# KiCad board BYOM_Blank_panel.kicad_pcb (continued)
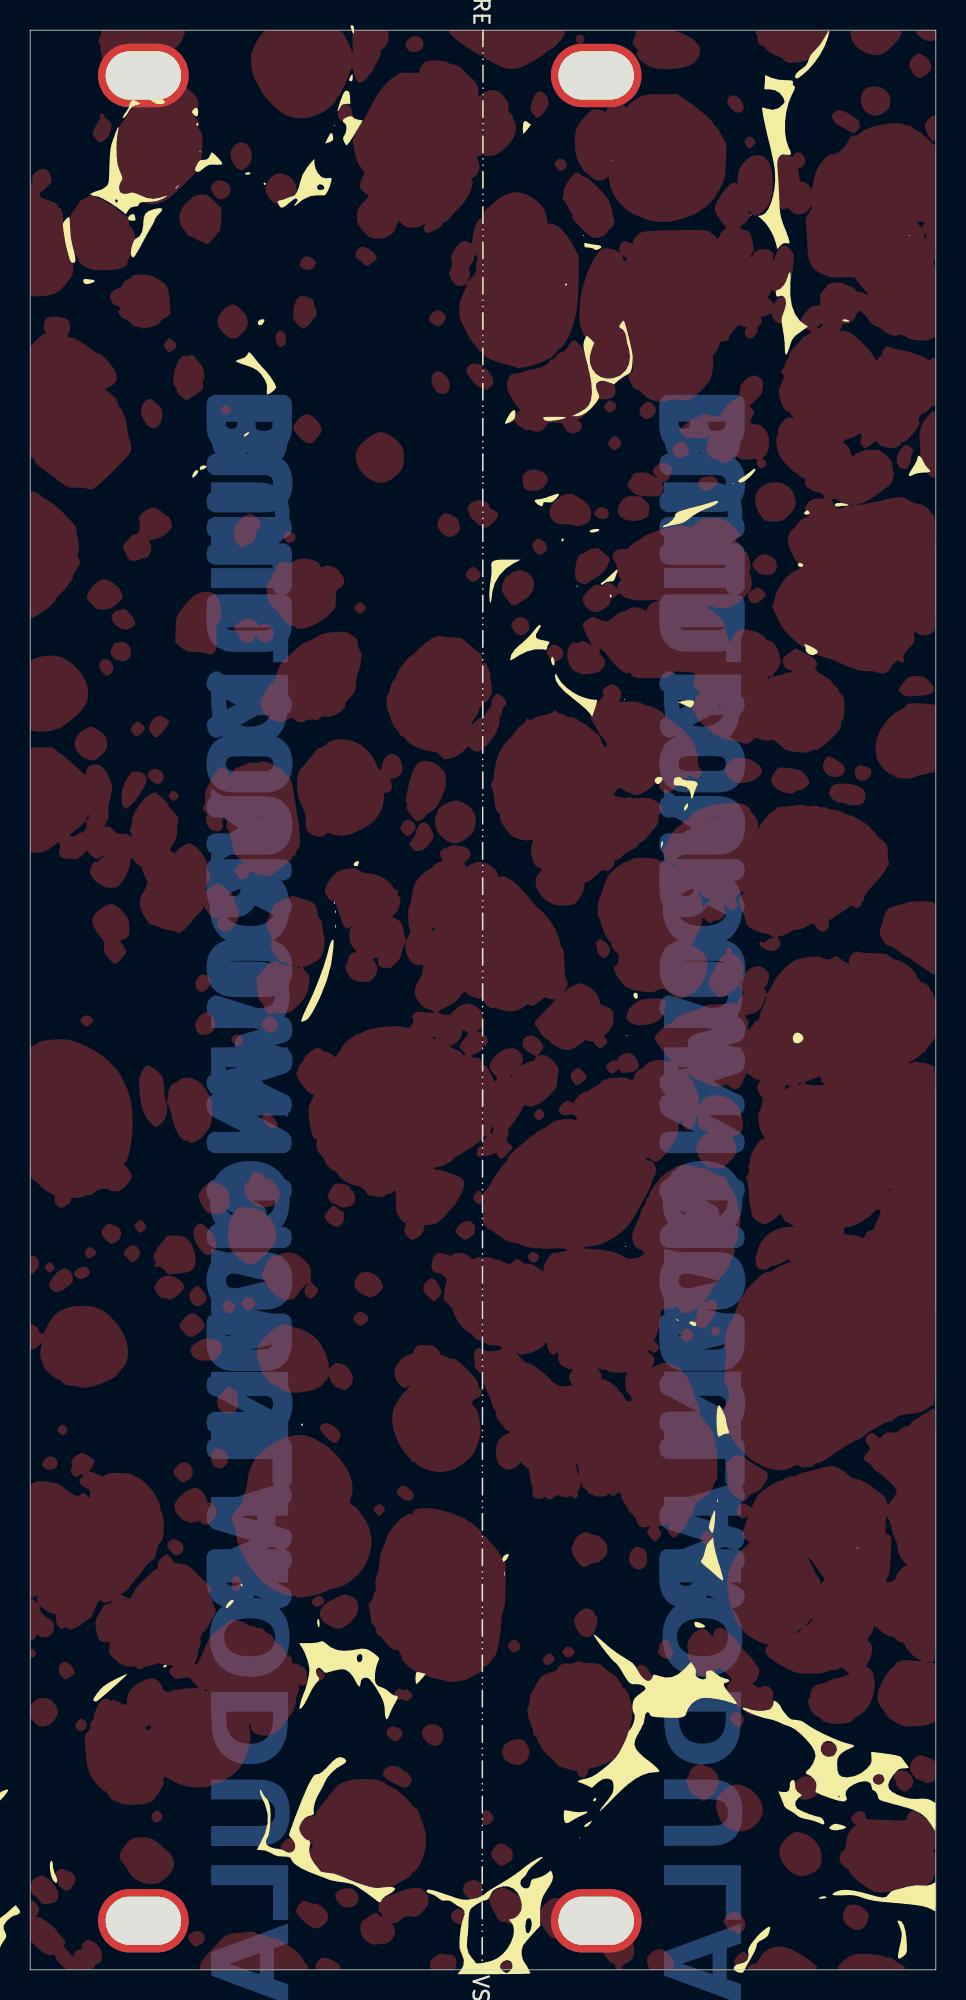
[diagram p0: board, top side]
## Copper pours and planes (outline as drawn; the poured copper is in the pictures) (continued)
Net-(H1-Pad1) on Top: outline of 213 points within 13.35,24.66 22.61,35.44
Net-(H1-Pad1) on Top: outline of 129 points within 11.58,72.32 17.87,80.06
Net-(H1-Pad1) on Top: 59.98,102.22 59.99,101.66 59.99,101.03 59.99,100.41 59.98,99.87 59.96,98.73 59.7,98.92 59.12,99.56 59.09,99.61 59.07,99.65 59.05,99.69 59.03,99.74 59.02,99.78 59.01,99.83 59,99.87 58.99,99.92 58.99,99.98 58.98,100.04 58.98,100.35 58.97,100.47 58.97,100.75 58.95,101.05 58.93,101.32 58.92,101.45 58.92,101.58 58.92,101.7 58.93,101.81 58.95,101.93 58.97,102.03 59,102.14 59.03,102.24 59.08,102.34 59.13,102.44 59.18,102.54 59.25,102.64 59.32,102.74 59.4,102.84 59.49,102.95 59.59,103.05 59.96,103.43
Net-(H1-Pad1) on Top: 19.57,0.8 19.61,0.79 19.66,0.78 19.7,0.77 19.74,0.76 20.25,0.5 20.29,0.47 20.33,0.44 20.37,0.41 20.41,0.38 20.44,0.35 20.47,0.32 20.49,0.29 20.52,0.26 20.54,0.22 20.56,0.18 20.65,-0.08 20.67,-0.15 20.62,-0.43 20.57,-0.45 20.5,-0.46 20.42,-0.47 20.33,-0.48 20.23,-0.49 20.12,-0.49 20.02,-0.49 19.91,-0.49 19.8,-0.48 19.69,-0.47 19.59,-0.46 19.5,-0.44 19.42,-0.42 19.35,-0.4
Net-(H1-Pad1) on Top: outline of 175 points within -2.7,50.52 6.79,61.65
Net-(H1-Pad1) on Top: -5.46,110.33 -5.39,110.32 -5.33,110.31 -5.26,110.29 -5.19,110.27 -5.12,110.24 -5.05,110.21 -4.99,110.18 -4.93,110.14 -4.87,110.1 -4.81,110.07 -4.76,110.03 -4.72,109.99 -4.69,109.95 -4.65,109.88 -4.63,109.8 -4.62,109.72 -4.61,109.65 -4.6,109.59 -4.6,109.52 -4.6,109.46 -4.61,109.41 -4.62,109.35 -4.64,109.29 -4.66,109.24 -4.69,109.19 -4.72,109.14 -4.76,109.08 -4.8,109.03 -4.85,108.98 -4.9,108.93 -4.97,108.87 -5.03,108.82 -5.09,108.77 -5.87,109.19 -5.9,109.23 -5.93,109.27 -5.95,109.31 -5.97,109.35 -5.99,109.39 -6,109.43 -6.01,109.47 -6.02,109.51 -6.03,109.81 -6.02,109.87 -6,109.93 -5.98,109.99 -5.95,110.04 -5.92,110.1 -5.89,110.14 -5.52,110.33
Net-(H1-Pad1) on Top: 31.9,0.41
Net-(H1-Pad1) on Top: 25,31.94 25.06,31.91 25.11,31.87 25.16,31.84 25.2,31.8 25.24,31.76 25.28,31.71 25.31,31.67 25.34,31.63
Net-(H1-Pad1) on Top: outline of 108 points within 32.93,12.79 39.89,20.33
Net-(H1-Pad1) on Top: outline of 92 points within 24.91,76.04 27.54,80.1
Net-(H1-Pad1) on Top: outline of 90 points within 21.87,1.98 26.38,5.43
Net-(H1-Pad1) on Top: 7.46,112.31 7.54,112.31 7.62,112.3 7.68,112.3 7.75,112.29 7.81,112.28 7.87,112.27 7.93,112.26 7.98,112.24 8.04,112.22 8.1,112.2 8.16,112.17 8.22,112.14 8.28,112.11 8.35,112.07 8.43,112.03 8.55,111.96 8.66,111.89 8.76,111.83 8.8,111.8 8.84,111.77 8.88,111.73 8.92,111.7 8.95,111.67 8.98,111.63 9.01,111.59 9.04,111.56 9.06,111.52 9.08,111.47 9.1,111.43 9.12,111.38 9.14,111.33 9.15,111.28 9.17,111.22 9.18,111.16 9.19,111.1 9.2,111.03 9.22,110.88 9.23,110.72 9.25,110.53 9.26,110.32 9.3,109.67 8.95,109.45 8.88,109.4 8.82,109.36 8.76,109.31 8.6,109.14 8.59,109.12 8.58,109.1 8.5,109.04 8.42,109 8.33,108.96 8.23,108.92 8.12,108.88 8.01,108.84 7.89,108.81 7.78,108.79 7.67,108.77 7.57,108.76 7.48,108.75 7.37,108.76 7.34,108.77 7.32,108.78 7.08,108.86 6.02,109.53 5.98,109.57 5.95,109.62 5.4,111.13 5.43,111.17 5.46,111.2 5.49,111.23 5.53,111.26 5.57,111.29 5.61,111.31 5.65,111.33 5.7,111.35
Net-(H1-Pad1) on Top: 11.62,49.23 11.7,49.17 11.78,49.1 11.85,49.03 11.91,48.96 11.97,48.9 12.02,48.83 12.07,48.76 12.12,48.69 12.16,48.62 12.19,48.55 12.22,48.48 12.25,48.4 12.28,48.33 12.29,48.25 12.31,48.17 12.32,48.08 12.33,48 12.33,47.91 12.24,47.69 12.2,47.64 12.16,47.59 12.12,47.55 12.07,47.51 12.03,47.47 11.98,47.43 11.3,47.7 11.2,47.82 11.12,47.94 11.05,48.06 10.98,48.18 10.93,48.29 10.88,48.4 10.85,48.5 10.82,48.6 10.81,48.7 10.8,48.8 10.8,48.84 10.81,48.89 10.81,48.93 10.82,48.98 10.83,49.02 10.85,49.06 10.86,49.1 10.88,49.13 10.9,49.17 10.93,49.21 10.95,49.24 10.98,49.27
Net-(H1-Pad1) on Top: 52.79,15.08 52.86,15.08 52.92,15.07 52.98,15.06 53.04,15.04 53.09,15.03 53.15,15.01 53.2,14.99 53.25,14.96 53.3,14.93 53.34,14.9 53.39,14.87 53.43,14.83 53.46,14.79 53.5,14.75 52.79,13.81 52.73,13.82 52.68,13.84 52.62,13.87 52.57,13.89 52.51,13.93 52.46,13.96 52.42,14 52.37,14.04 52.33,14.08 52.3,14.12 52.73,15.08
Net-(H1-Pad1) on Top: 12.47,34.53 12.51,34.52 12.55,34.51 12.59,34.5 12.63,34.48 12.67,34.47 12.71,34.44 12.75,34.42 12.8,34.39 12.84,34.36 12.87,33.34 12.38,33.26 12.34,33.28 12.29,33.3 12,33.8 12,33.93 12,33.99 12,34.04 12.01,34.09 12.01,34.14 12.02,34.18 12.04,34.22 12.05,34.26 12.07,34.3 12.09,34.34 12.11,34.37 12.13,34.4 12.15,34.42 12.18,34.45 12.21,34.47 12.24,34.49 12.27,34.5 12.3,34.51 12.33,34.52 12.36,34.53 12.4,34.53 12.43,34.53
Net-(H1-Pad1) on Top: outline of 122 points within 43.14,99.82 48.95,104.78
Net-(H1-Pad1) on Top: outline of 149 points within 37.45,67.03 38.41,68.29
Net-(H1-Pad1) on Top: 22.26,46.23 22.3,46.23 22.35,46.22 22.4,46.22 22.45,46.21 22.5,46.19 22.55,46.18 22.65,46.14 22.75,46.1 22.84,46.04 22.93,45.98 22.97,45.95 23.01,45.92 23.05,45.88 23.09,45.84 23.13,45.8 23.16,45.76 23.19,45.72 23.22,45.67 23.25,45.63 23.21,44.96 23.18,44.92 23.13,44.87 23.08,44.83 23.03,44.79 22.98,44.75 22.92,44.71 22.87,44.68 22.81,44.65 22.75,44.62 22.7,44.59 22.65,44.58 22.15,44.68 22.08,44.72 22.01,44.75 21.94,44.79 21.88,44.83 21.82,44.87 21.76,44.92 21.71,44.96 21.66,45 21.62,45.05 21.58,45.1 21.55,45.14 21.52,45.19 21.48,45.42 21.49,45.48 21.5,45.53 21.51,45.59 21.53,45.65 21.56,45.71 21.58,45.77 21.61,45.82 21.64,45.88 21.67,45.93 21.71,45.98 21.74,46.02 21.78,46.06 21.82,46.1 21.94,46.17 21.98,46.19 22.02,46.2 22.07,46.22 22.11,46.22 22.16,46.23 22.21,46.23
Net-(H1-Pad1) on Top: 21.51,5.24 21.56,5.19 21.61,5.14 21.65,5.09 21.68,5.04 21.71,4.99 21.73,4.94 21.75,4.89 21.76,4.84 21.76,4.78 21.76,4.73 21.76,4.68 21.75,4.63 21.74,4.58 21.72,4.53 21.69,4.48 21.67,4.44 21.64,4.39 21.6,4.35 21.56,4.32 21.52,4.28 21.47,4.25 21.43,4.22 21.37,4.19 21.32,4.17 21.26,4.15 21.2,4.14 21.14,4.13 21.08,4.12 21.01,4.12 20.94,4.13 20.87,4.14 20.8,4.15 20.66,4.23 20.61,4.27 20.56,4.31 20.51,4.36 20.46,4.42 20.42,4.47 20.37,4.53 20.33,4.59 20.3,4.65 20.27,4.71 20.24,4.77
Net-(H1-Pad1) on Top: outline of 83 points within 9.88,114.35 12.68,117.62
Net-(H1-Pad1) on Top: 35.44,128.36 35.42,128.29 35.39,128.22 35.35,128.15 35.31,128.07 35.26,127.99 35.2,127.91 35.14,127.83 35.08,127.75 35.01,127.67 34.94,127.59 34.87,127.52 34.81,127.46 34.74,127.4 34.67,127.35 34.61,127.3 34.55,127.27 34.13,126.98 34.04,126.91 33.93,126.83 33.81,126.75 33.68,126.66 33.54,126.58 33.26,126.41 32.98,126.26 32.84,126.19 32.72,126.13 32.6,126.08 32.49,126.04 32.4,126.01 32.33,125.99 32.21,125.97 32.1,125.95 32,125.94 31.91,125.93 31.83,125.93 31.75,125.93 31.67,125.94 31.59,125.95 31.52,125.96 31.44,125.98 31.36,126.01 31.28,126.04 31.19,126.08 31.09,126.12 30.87,126.24 30.34,126.52 29.84,126.8 29.37,127.08 28.95,127.36 28.56,127.63 28.38,127.76 28.22,127.9 28.06,128.03 27.92,128.16 27.78,128.28 27.66,128.4 27.46,128.62 35.52,128.62
Net-(H1-Pad1) on Top: 40.86,27.32 40.86,27.24 40.66,26.65 40.6,26.62 40.55,26.59 39.93,26.69 39.89,26.74
Net-(H1-Pad1) on Top: 42.41,0.92 42.45,0.88 42.49,0.83 42.63,0.49 42.64,0.44 42.64,0.37 42.64,0.23 42.64,0.12 42.64,0.03 42.63,-0.06 42.21,-0.48 42.12,-0.49 42.02,-0.49 41.92,-0.49 41.28,-0.32 41.24,-0.28 41.2,-0.23 41.17,-0.18 41.13,-0.12 41.09,-0.06 41.06,0 41.03,0.06 41,0.13 40.97,0.19 40.94,0.26 40.92,0.32 40.9,0.38 40.89,0.45 40.87,0.5 40.87,0.56 40.87,0.61
Net-(H1-Pad1) on Top: outline of 126 points within -2.27,42.96 -1.22,43.98
Net-(H1-Pad1) on Top: 8.55,79.47
Net-(H1-Pad1) on Top: outline of 176 points within 5.47,116.98 11.41,125.49
Net-(H1-Pad1) on Top: 37.58,94.17 37.61,94.16 37.65,94.14 37.7,94.11 37.76,94.07 37.83,94.02 37.9,93.97 37.97,93.91 38.04,93.85 38.11,93.78 38.18,93.72 38.24,93.66 38.3,93.6 38.34,93.55 38.38,93.51 38.4,93.47 38.4,93.37 38.38,93.32 38.36,93.27 38.34,93.21 38.31,93.15 38.28,93.09 38.25,93.02 38.21,92.96 38.17,92.89 38.13,92.83 38.1,92.77 38.06,92.72 38.02,92.67 37.99,92.63 37.95,92.6 37.9,92.55 37.84,92.5 37.72,92.4 37.6,92.31 37.49,92.22 37.38,92.15 36.1,92.55 36.1,92.65 36.11,92.76 36.12,92.88 36.14,92.99 36.15,93.09 36.17,93.18 36.19,93.27 36.21,93.35 36.24,93.43 36.26,93.5 36.29,93.57 36.32,93.63 36.35,93.68 36.38,93.72 36.42,93.76 36.45,93.79 36.49,93.81
Net-(H1-Pad1) on Top: 9.75,28.46 9.81,28.43 9.36,27.68 9.3,27.74 9.25,27.79 9.21,27.85 9.18,27.9 9.18,28.33 9.21,28.37
Net-(H1-Pad1) on Top: -5.3,70.48 -5.25,70.45 -5.2,70.42 -5.14,70.39 -5.08,70.35 -5.03,70.32 -4.98,70.28 -4.94,70.24 -4.9,70.2 -4.86,70.16 -4.83,70.12 -4.8,70.08 -4.77,70.03 -4.75,69.99 -4.73,69.94 -4.71,69.89 -4.69,69.85 -4.68,69.8 -4.67,69.75 -4.67,69.7 -4.67,69.65 -4.67,69.6 -4.67,69.55 -4.68,69.5 -4.69,69.45 -4.71,69.4 -4.73,69.36 -4.75,69.31 -4.77,69.26 -4.8,69.21 -4.83,69.17 -4.86,69.12 -4.9,69.08 -4.94,69.03 -4.98,68.99 -5.03,68.95 -5.08,68.91 -5.13,68.87 -5.19,68.84 -5.24,68.81 -5.3,68.78 -5.35,68.75 -5.41,68.73 -5.46,68.72 -5.52,68.7 -5.57,68.69 -5.63,68.69 -5.68,68.69 -5.73,68.69 -5.78,68.69 -5.84,68.7 -5.89,68.72 -6.04,69.56 -6.04,69.81 -6.04,70 -6.03,70.08 -6.03,70.15 -6.02,70.2 -6.01,70.25 -6,70.29 -5.98,70.32 -5.97,70.35 -5.95,70.37 -5.92,70.39 -5.77,70.47 -5.72,70.49 -5.67,70.5
Net-(H1-Pad1) on Top: 12.06,52.21 12.39,52.13 12.47,52.1 12.55,52.06 12.63,52.02 12.9,51.84 13.12,51.51 13.14,51.46 13.18,51.27 13.2,51.17 13.22,51.08 13.23,51 13.23,50.92 13.24,50.85 13.24,50.79 13.23,50.72 13.18,50.56 13.15,50.51 13.11,50.46 13.07,50.42 13.02,50.37 12.97,50.32 12.91,50.26 12.3,50.07 12.23,50.08 12.15,50.08 12.08,50.1 12,50.11 11.94,50.12 11.87,50.14 11.69,50.23 11.64,50.28 11.59,50.34 11.54,50.41 11.49,50.49 11.43,50.57 11.38,50.65 11.34,50.74 11.29,50.83 11.25,50.91 11.22,51 11.19,51.07 11.17,51.15 11.69,52.03 11.73,52.07 11.78,52.1 11.81,52.13
Net-(H1-Pad1) on Top: -3.48,62.44 -3.42,62.43 -3.36,62.41 -3.3,62.39 -3.24,62.36 -3.18,62.33 -3.13,62.3 -3.08,62.26 -3.03,62.22 -2.98,62.19 -2.94,62.15 -2.91,62.1 -2.88,62.06 -2.82,61.9 -2.83,61.85 -2.83,61.79 -2.85,61.73 -2.87,61.66 -2.89,61.6 -2.92,61.54 -2.95,61.47 -2.98,61.41 -3.02,61.34 -3.06,61.28 -3.11,61.22 -3.16,61.16 -3.2,61.1 -3.26,61.05 -3.31,61 -3.36,60.95 -3.48,60.86 -3.53,60.82 -3.93,60.8 -3.98,60.83 -4.42,61.59 -4.41,61.63 -4.33,61.86 -4.3,61.9 -4.27,61.94 -4.23,61.98 -3.9,62.32 -3.86,62.35 -3.83,62.38
Net-(H1-Pad1) on Top: outline of 765 points within 49.17,85.88 60,122.34
Net-(H1-Pad1) on Top: 26.7,16.26 26.78,16.26 27.36,15.7 27.37,15.63 27.38,15.57 27.38,15.51 27.38,15.45 27.38,15.39 27.37,15.34 27.36,15.29 27.34,15.24 27.33,15.19 27.31,15.15 27.28,15.11 27.26,15.07 27.23,15.03 27.2,15 27.17,14.97 27.13,14.94 27.1,14.92 27.06,14.9 27.02,14.88 26.98,14.87 26.93,14.86 26.89,14.85 26.85,14.84 26.8,14.84 26.75,14.85 26.71,14.86 26.66,14.87 26.61,14.88 26.56,14.9 26.52,14.93 26.47,14.95 26.42,14.99 26.37,15.02 26.31,15.07 26.26,15.13 26.21,15.18 26.16,15.24 26.12,15.29 26.08,15.35 26.04,15.41 26.01,15.47 25.99,15.52 25.97,15.58 26,15.91 26.03,15.96 26.57,16.27 26.63,16.27
Net-(H1-Pad1) on Top: 5.42,86.52 5.45,86.48 5.47,86.44 4.65,86.63 4.67,86.66 4.7,86.69
Net-(H1-Pad1) on Top: outline of 546 points within 46.18,16.12 60,37.27
Net-(H1-Pad1) on Top: -2.65,7.12 -2.66,7.06 -2.66,7 -2.67,6.94
Net-(H1-Pad1) on Top: -3.86,105.59 -3.88,105.47 -4.22,104.97 -4.28,104.95 -4.34,104.93 -4.4,104.92 -4.46,104.9 -4.53,104.89 -4.59,104.88 -4.65,104.88 -4.71,104.88 -4.78,104.87 -4.84,104.87 -4.9,104.88 -4.95,104.88 -5.01,104.89 -5.06,104.9 -5.12,104.92 -5.17,104.94 -5.24,104.97 -5.31,105.02 -5.38,105.07 -5.46,105.13 -5.54,105.2 -5.61,105.27 -5.69,105.35 -5.76,105.43 -5.82,105.5 -5.88,105.58 -5.94,105.65 -5.98,105.72 -6.01,105.78 -5.54,106.63 -5.5,106.67 -5.46,106.71 -5.42,106.74 -5.39,106.77 -5.21,106.85 -5.17,106.85
Net-(H1-Pad1) on Top: -5.89,76.66 -5.91,76.6 -6.02,76.47 -6.02,76.58 -6.03,76.72 -6.03,76.89 -6.04,77.08 -6.04,77.3 -6.04,77.53 -6.04,77.97 -6.03,78.33 -6.02,78.47 -6.02,78.58 -6.01,78.65
Net-(H1-Pad1) on Top: outline of 485 points within 35.6,80.63 53.94,96.2
Net-(H1-Pad1) on Top: 32.8,15.11 32.84,15.06 32.88,15 32.91,14.93 32.95,14.86 32.98,14.78 33.01,14.71 33.04,14.63 33.06,14.56 33.07,14.49 33.07,14.42 33.07,14.36 33.07,14.29 33.04,14.17 33.02,14.11 32.99,14.05 32.95,13.99 32.91,13.93 32.87,13.88 32.82,13.82 32.76,13.77 32.04,13.61 31.97,13.63 31.88,13.66 31.8,13.7 31.81,15.16 31.89,15.19 31.97,15.21 32.06,15.24 32.15,15.26 32.24,15.27 32.32,15.28 32.39,15.29
Net-(H1-Pad1) on Top: 18.93,4.38 18.98,4.37 19.04,4.35 19.1,4.32 19.16,4.29 19.22,4.25 19.28,4.21 19.34,4.16 19.4,4.11 19.46,4.06 19.51,4.01 19.55,3.96 19.59,3.91 19.44,2.98 19.37,2.93 19.31,2.89 19.25,2.85 19.2,2.82 19.15,2.8 18.74,2.78 18.69,2.81 18.64,2.83 18.57,2.86 18.52,2.9 18.45,2.94 18.39,2.99 18.31,3.05 18.24,3.11 18.16,3.18 18.09,3.26 18.01,3.33 17.94,3.4 17.88,3.48 17.81,3.55 17.76,3.62 17.71,3.68 17.67,3.74 17.64,3.79 17.63,3.97 17.65,4.03 17.68,4.09 17.71,4.15 17.75,4.21 17.79,4.28 17.84,4.34 17.88,4.39 17.93,4.45 17.97,4.49 18.02,4.53
Net-(H1-Pad1) on Top: outline of 81 points within 34.4,95.64 37.16,97.79
Net-(H1-Pad1) on Top: outline of 406 points within -3.08,68.71 13.63,81
Net-(H1-Pad1) on Top: outline of 91 points within 15.65,88.84 20.8,93.49
Net-(H1-Pad1) on Top: 54.1,123.04 54.2,122.99 54.3,122.93 54.4,122.86 54.51,122.79 54.6,122.72 54.69,122.66 54.77,122.6 54.83,122.55 54.92,122 54.9,121.96 54.87,121.91 54.84,121.87 54.8,121.83 54.77,121.8 54.73,121.76 54.36,121.76 54.28,121.8 54.2,121.84 54.12,121.89 53.94,121.99 53.86,122.04 53.56,122.2 53.51,122.22
Net-(H1-Pad1) on Top: 11.2,45.23 11.25,45.18 11.3,45.13 11.35,45.08 11.4,45.02 11.45,44.97 11.5,44.91 11.54,44.85 11.58,44.79 11.62,44.73 11.4,44.1 11.35,44.06 11.3,44.03 10.77,44.13
Net-(H1-Pad1) on Top: outline of 99 points within 6.18,93.6 9.38,96.87
Net-(H1-Pad1) on Top: 5.31,121.76 5.29,121.7 5.27,121.63 5.23,121.57 5.2,121.51 5.16,121.45 5.12,121.4 5.07,121.35 5.03,121.3 4.98,121.25 4.93,121.21 4.88,121.17 4.83,121.14 4.78,121.12 4.13,121.68 4.14,121.72 4.16,121.78 4.19,121.84 4.26,121.99 4.34,122.16 4.43,122.32 4.52,122.46 4.56,122.52 4.59,122.57
Net-(H1-Pad1) on Top: -1.05,108.8 -1.23,108 -1.29,107.97 -1.35,107.94 -1.41,107.92 -1.49,107.9 -1.56,107.88 -1.64,107.87 -1.73,107.85 -1.81,107.85 -1.89,107.84 -1.97,107.84 -2.05,107.84 -2.12,107.85 -2.18,107.86 -2.24,107.88
Net-(H1-Pad1) on Top: 38.12,28.29 38.14,28.26 38.16,28.22 38.18,28.19 38.2,28.15 38.21,28.11 38.22,28.07 38.22,27.63 38.21,27.59 38.2,27.55 38.18,27.52 38.17,27.48 38.14,27.45 38.12,27.42 36.36,26.9 36.31,26.97 36.26,27.04 36.2,27.11 36.14,27.19 36.09,27.26 36.05,27.33 36.01,27.41 35.97,27.48 35.94,27.56 35.92,27.63 35.9,27.71 35.88,27.78 35.87,27.84 35.86,27.91 35.86,27.96 35.87,28.02 36.14,28.59 36.18,28.63 36.22,28.67 36.26,28.71 36.31,28.75 36.36,28.79 36.41,28.82 36.46,28.86 36.52,28.89 36.58,28.92
Net-(H1-Pad1) on Top: 27.52,109.4 27.5,109.36 27.48,109.31 27.46,109.26 27.44,109.22 27.41,109.17 27.38,109.13 27.34,109.08 27.31,109.04 27.27,109.01 26.54,109.64 26.57,109.68 26.61,109.72 26.65,109.77
Net-(H1-Pad1) on Top: -3.39,112.57 -3.33,112.54 -3.27,112.5 -3.21,112.46 -3.15,112.41 -3.1,112.36 -3.04,112.3 -2.99,112.24 -2.94,112.19 -2.9,112.13 -2.87,112.08 -2.86,111.81 -2.89,111.76 -2.92,111.7 -2.96,111.65 -3,111.59 -3.04,111.53 -3.08,111.48 -3.13,111.43 -3.17,111.39 -3.22,111.35 -3.73,111.4
Net-(H1-Pad1) on Top: 24.55,15.88 24.59,15.42 24.54,15.36 24.49,15.31 23.98,15.24
Net-(H1-Pad1) on Top: 37.58,118.11 37.77,117.91 37.86,117.82 37.94,117.74 38.01,117.66 38.07,117.59 38.12,117.52 38.18,117.45 38.22,117.39 38.26,117.32 38.3,117.26 38.33,117.2 38.36,117.14 38.39,117.07 38.41,117.01 38.44,116.94 38.47,116.84 38.5,116.75 38.52,116.66 38.54,116.58 38.56,116.51 38.57,116.46 36.99,114.94 36.93,114.99 36.86,115.05 36.79,115.12 36.71,115.2 36.62,115.29 36.52,115.39 36.36,115.55 36.22,115.69 36.17,115.75 36.11,115.81 36.07,115.87 36.03,115.92 36,115.96 35.97,116.01 35.95,116.04 35.93,116.08 35.92,116.11 35.91,116.14 35.91,116.16 35.6,116.86 35.56,116.92 35.53,116.99 35.48,117.05 35.71,118.59 35.78,118.68 35.85,118.77 35.92,118.85 35.98,118.92 36.04,118.98
Net-(H1-Pad1) on Top: -3.78,111.08 -3.74,111.08 -3.71,111.08 -3.26,110.41 -3.27,110.38 -3.28,110.35 -3.29,110.32 -3.31,110.29 -3.33,110.26 -3.36,110.23 -3.4,110.2 -3.44,110.16 -3.86,109.88 -3.9,109.86 -3.94,109.84 -4.41,110.44 -4.4,110.49 -4.37,110.55 -4.34,110.61 -4.3,110.67 -4.26,110.73 -4.22,110.79 -4.17,110.84 -4.12,110.9 -4.08,110.94 -4.03,110.99 -3.98,111.02 -3.81,111.09
Net-(H1-Pad1) on Top: outline of 98 points within 49.63,6.22 52.44,9.13
Net-(H1-Pad1) on Top: 11.17,42.19 11.11,42.14 11.05,42.09 11,42.05 10.95,42.02 10.53,41.97 10.48,41.98 10.05,42.39 9.86,42.69 10.07,43.01
Net-(H1-Pad1) on Top: 54.07,78.58 54.19,78.57 54.3,78.56 54.42,78.54 54.53,78.52 54.63,78.49 54.73,78.46 54.83,78.42 54.92,78.38 55,78.34 55.07,78.29 55.14,78.25 55.2,78.2 55.24,78.15 55.29,78.04 55.31,77.99 55.32,77.93 55.33,77.88 55.33,77.83 55.34,77.79 55.34,77.74 55.34,77.7 55.34,77.65 55.33,77.61 55.32,77.57 55.32,77.54 55.3,77.5 55.29,77.47 55.27,77.43 55.25,77.4 55.23,77.37 55.21,77.35 55.19,77.32 55.16,77.3 55.13,77.27 55.1,77.25 55.06,77.23 55.03,77.22 54.99,77.2 54.95,77.19 54.9,77.18 54.86,77.17 54.81,77.16 54.76,77.15 54.71,77.15 54.66,77.15 54.6,77.15 54.52,77.15 54.44,77.15 54.36,77.16 54.28,77.17 53.7,77.31 53.65,77.32 53.59,77.33 53.54,77.34 53.49,77.36 53.44,77.38 53.39,77.4 53.34,77.43 53.29,77.46 53.25,77.49 53.2,77.53 53.16,77.56 53.13,77.6 53.09,77.65 53.06,77.69 53.03,77.74 53.63,78.58 53.72,78.58 53.83,78.58 53.95,78.58
Net-(H1-Pad1) on Top: 11.04,65.64 11.08,65.69 11.11,65.74
Net-(H1-Pad1) on Top: -1.38,1.79 -1.32,1.79 -1.26,1.78 -1.2,1.77 -1.14,1.76 -1.09,1.75 -1.04,1.73 -0.99,1.72 -0.95,1.7 -0.77,1.59 -0.7,1.56 -0.64,1.54 -0.57,1.51 -0.5,1.48 0.02,1.11 0.07,1.01 0.03,0.68 -0.04,0.61 -0.24,0.5 -0.32,0.48 -0.41,0.46 -0.51,0.45 -0.62,0.44 -0.73,0.43 -0.84,0.44 -0.96,0.44 -1.07,0.45 -1.18,0.47 -1.29,0.49 -1.4,0.52 -1.5,0.56 -1.59,0.59 -1.68,0.63 -1.71,1.75 -1.66,1.77 -1.61,1.78 -1.55,1.78 -1.5,1.79 -1.44,1.79
Net-(H1-Pad1) on Top: 29.26,49.52 29.31,49.48 29.39,48.74 29.36,48.7 29.32,48.67 29.27,48.63 29.22,48.59 29.17,48.55 29.12,48.51 29.07,48.48 29.02,48.45 28.97,48.42 28.92,48.39 28.25,49.12 28.29,49.18 28.34,49.24 28.4,49.3 28.46,49.36 28.52,49.41 28.58,49.46 28.65,49.51 28.72,49.55
Net-(H1-Pad1) on Top: 8.05,104.03 8.1,104 8.15,103.97 8.2,103.93 8.26,103.88 8.32,103.83 8.37,103.78 8.43,103.73 8.48,103.67 8.53,103.61 8.58,103.56 8.62,103.5 8.66,103.45 8.69,103.4 8.73,103.28 8.74,103.21 8.75,103.14 8.76,103.06 8.75,102.98 8.75,102.9 8.73,102.82 8.72,102.74 8.7,102.66 8.67,102.58 8.65,102.51 8.61,102.45 8.58,102.39 8.47,102.26 7.97,102.19 7.93,102.21 7.79,102.3 7.74,102.34 7.7,102.4 7.65,102.46 7.61,102.53 7.57,102.6 7.52,102.68 7.49,102.76 7.45,102.84 7.42,102.92 7.39,103 7.37,103.08 7.35,103.16 7.34,103.23 7.35,103.43 7.37,103.49 7.39,103.56 7.42,103.63 7.45,103.69 7.49,103.75 7.53,103.81 7.58,103.87 7.62,103.91 7.67,103.96 7.72,103.99
Net-(H1-Pad1) on Top: 16.09,2.12 16.15,2.11 16.27,2.07 16.41,2.02 16.57,1.94 16.73,1.85 16.9,1.75 17.08,1.63 17.25,1.51 17.41,1.39 17.57,1.27 17.71,1.14 17.84,1.02 17.94,0.91 18.02,0.81 18.05,0.77 18.07,0.72 18.09,0.68 18.26,0.41 18.3,0.36 18.34,0.31 18.38,0.25 18.43,0.18 18.53,0.03 18.62,-0.12 18.66,-0.19 18.69,-0.26 18.72,-0.32 18.75,-0.37 18.77,-0.44 18.44,-0.46 17.58,-0.48 14.97,-0.49 12.35,-0.48 11.47,-0.46 11.12,-0.44 11.22,0.18 11.33,0.51 11.37,0.58 11.44,0.67 11.53,0.78 11.75,1.04 12.02,1.34 12.3,1.64 12.57,1.91 12.69,2.03 12.8,2.13 12.89,2.2 12.96,2.26 13.74,2.44 13.84,2.45 13.94,2.46 14.05,2.47 14.15,2.48 14.25,2.49 14.34,2.5
Net-(H1-Pad1) on Top: 41.6,128.62 41.93,128.62 42.2,128.61 42.41,128.6 42.56,128.58 42.61,128.58 42.66,128.57 42.69,128.55 42.71,128.54 42.72,128.53 42.98,128.38 43.05,128.36 43.12,128.33 43.21,128.29 43.3,128.25 43.4,128.2 43.5,128.15 43.59,128.09 43.69,128.04 43.78,127.98 43.86,127.93 43.93,127.88 43.99,127.83 44.04,127.79 44.07,127.75 44.23,126.62 44.2,126.58 44.17,126.53 44.13,126.49 44.09,126.45 44.05,126.41 44.01,126.37 43.96,126.33 43.92,126.3 43.87,126.27 43.81,126.23 43.76,126.2 43.7,126.17 43.65,126.15 43.58,126.12 43.52,126.1 43.46,126.08 43.39,126.05 43.32,126.03 43.24,126.02 43.09,125.99 42.93,125.96 42.76,125.94 42.58,125.93 42.39,125.92 42.19,125.92 41.98,125.92 41.81,125.93 41.65,125.94 41.57,125.95 41.5,125.96 41.44,125.97 41.37,125.98 41.31,126 41.25,126.01 41.2,126.03 41.14,126.05 41.09,126.07 40.48,128.62 40.69,128.62 41.19,128.62
Net-(H1-Pad1) on Top: outline of 191 points within 23.98,32.96 29.84,41.39
Net-(H1-Pad1) on Top: 51.21,128.61 52.18,128.6 52.82,128.58 53,128.56 53.04,128.56 53.06,128.55 53.05,128.52 53.05,128.48 53.03,128.43 53.01,128.37 52.99,128.3 52.96,128.23 52.92,128.16 52.89,128.08 52.81,127.9 52.72,127.73 52.62,127.55 52.57,127.47 52.52,127.38 52.48,127.32 52.44,127.26 52.4,127.2 52.35,127.15 52.3,127.09 52.26,127.04 52.21,126.99 52.15,126.94 52.1,126.89 52.05,126.84 51.99,126.8 51.93,126.76 51.87,126.72 51.81,126.68 51.74,126.65 51.68,126.61 51.61,126.58 51.55,126.55 51.48,126.52 51.41,126.49 51.33,126.47 51.26,126.45 51.19,126.43 51.11,126.41 50.95,126.38 50.79,126.36 50.62,126.34 50.45,126.34 49.49,126.78 49.44,126.8 49.38,126.82 49.32,126.85 49.25,126.89 49.18,126.93 49.12,126.97 49.05,127.02 48.98,127.06 48.92,127.11 48.87,127.15 48.82,127.2 48.77,127.24 48.3,127.58 48.27,127.61 47.69,128.6 47.88,128.6 48.12,128.6 48.4,128.61 48.73,128.61 49.11,128.61 50.03,128.62
Net-(H1-Pad1) on Top: outline of 98 points within 53.65,5.13 60,10.11
Net-(H1-Pad1) on Top: 24.99,13.04 25.03,13 25.07,12.96 25.11,12.91 25.15,12.86 25.18,12.81 25.21,12.76 25.24,12.39 25.21,12.35 25.18,12.31 25.15,12.26 25.11,12.22 25.08,12.19 25.04,12.15 25,12.12 24.96,12.09 24.67,12.09 24.59,12.13 24.49,12.17 24.38,12.22 24.26,12.28 24.14,12.34 24.01,12.41 23.9,12.47 23.8,12.53 23.71,12.58 23.63,12.64 23.56,12.69 23.51,12.74 23.46,12.79 23.4,13.13 23.43,13.19
Net-(H1-Pad1) on Top: 58.95,126.95 59.01,126.92 59.07,126.89 59.13,126.86 59.19,126.82 59.26,126.77 59.32,126.72 59.38,126.67 59.44,126.62 59.49,126.56 59.54,126.51 59.58,126.45 58.61,125.48 58.57,125.53 58.52,125.59 58.48,125.65 58.44,125.72 58.4,125.8 58.36,125.87 58.33,125.94 58.31,126.02 58.28,126.09 58.27,126.16 58.27,126.37 58.29,126.42 58.31,126.46 58.33,126.5 58.36,126.55 58.38,126.59 58.42,126.63 58.45,126.67 58.49,126.72 58.52,126.76 58.56,126.8 58.61,126.83 58.65,126.87 58.7,126.9 58.74,126.93 58.79,126.96
Net-(H1-Pad1) on Top: 34.97,86.74 34.91,86.71 34.47,86.84 34.43,86.89 34.38,86.96 34.31,87.07
Net-(H1-Pad1) on Top: 12.25,62.68 12.25,62.6 11.76,61.98 11.68,61.96 11.6,61.95 11.05,62.19 11.02,62.22 11,62.26 10.99,62.3 10.97,62.34 10.96,62.38 10.95,62.42 10.95,62.46 10.94,62.5 11.13,63.07 11.16,63.1 11.19,63.14 11.22,63.18 11.26,63.21 11.3,63.24 11.34,63.28 11.38,63.31 11.43,63.34
Net-(H1-Pad1) on Top: 55.37,79.71 54.68,79.17 54.64,79.34 54.74,79.65 54.77,79.69 54.81,79.72
Net-(H1-Pad1) on Top: 59.29,14.13 59.39,14.09 59.58,14.02 59.66,13.99 59.72,13.96 59.78,13.93 59.99,13.58 60,13.5 60,13.42 60,13.32 60,13.2 60,13.04 59.99,12.91 59.78,12.45 59.74,12.43 59.69,12.42 59.64,12.4 59.59,12.39 59.54,12.39 59.49,12.38 59.44,12.38 59.39,12.38 59.35,12.38 59.31,12.39 58.56,12.81 58.51,12.87 58.46,12.94 58.41,13.01 58.37,13.09 58.62,14.04
Net-(H1-Pad1) on Top: 47.21,2.56 47.16,2.52 47.12,2.49 46.21,2.76 46.16,2.81 46.12,2.86 46.08,2.92 46.04,2.97 46.01,3.03 45.98,3.09 45.95,3.31 45.98,3.37 46.01,3.42 46.04,3.46 46.07,3.51 46.1,3.55 46.13,3.59 46.16,3.62 46.2,3.65 46.23,3.68 46.26,3.7 46.3,3.73 46.34,3.75 46.38,3.77 46.42,3.79 46.46,3.8
Net-(H1-Pad1) on Top: 58.85,85.71 58.94,85.7 59.02,85.69 59.09,85.68 59.15,85.66 59.33,85.58 59.39,85.54 59.44,85.49 59.5,85.43 59.56,85.37 59.63,85.29 59.7,85.21 59.74,85.15 59.78,85.1 59.64,84.53 59.59,84.51 59.51,84.49 59.42,84.47 59.31,84.45 59.06,84.42 58.79,84.39 58.52,84.38 58.28,84.37 58.17,84.37 58.09,84.38 58.02,84.39 57.97,84.4 58.54,85.71 58.66,85.71 58.76,85.71
Net-(H1-Pad1) on Top: 30.48,10.45 30.52,10.4 30.56,10.35 29.78,9.83 29.61,10.07 29.85,10.33 29.9,10.39 29.95,10.44
Net-(H1-Pad1) on Top: 19.65,36.22 19.71,36.2 19.77,36.19 19.84,36.16 19.9,36.13 19.97,36.09 20.04,36.05 20.1,36.01 20.17,35.96 20.23,35.91 20.29,35.86 20.35,35.8 20.41,35.75 20.45,35.69 19.64,35.26 19.54,35.37 19.41,35.51 19.36,35.57 19.32,35.62 19.28,35.67 19.25,35.71 19.22,35.75 19.2,35.79
Net-(H1-Pad1) on Top: outline of 157 points within -1.53,-0.06 4.76,4.81
Net-(H1-Pad1) on Top: 14.96,96.26 14.99,96.23 15.29,95.76 14.44,94.4 14,94.17 13.76,94.43 13.66,94.54 13.53,94.86 13.53,94.91 13.52,94.97 13.52,95.38 13.53,95.44 13.53,95.49 13.54,95.54 13.55,95.58 13.57,95.62 13.58,95.66 13.6,95.7 13.63,95.74 13.65,95.78 13.68,95.82 13.81,95.96 13.9,96.05 13.98,96.13 14.06,96.2 14.14,96.27 14.22,96.32
Net-(H1-Pad1) on Top: 5.33,49.42 5.43,49.38 5.53,49.35 5.83,48.32 5.79,48.29 5.75,48.26 5.71,48.23 5.67,48.2 5.62,48.18 4.92,48.47 4.87,48.53 4.83,48.59 4.83,49.13 4.88,49.19 4.93,49.24
Net-(H1-Pad1) on Top: 60,122.43 60,122.02 60,121.83 59.99,121.66 59.99,121.5 59.98,121.36 59.97,121.25 59.95,121.16 59.66,121.27 59.62,121.33 59.57,121.39 59.53,121.46 59.49,121.53 59.45,121.61 59.42,121.68 59.38,121.76 59.35,121.84 59.33,121.92 59.3,121.99 59.29,122.06 59.28,122.12 59.27,122.18 59.27,122.23 59.29,122.31 59.31,122.34 59.33,122.38 59.36,122.43 59.39,122.47 59.42,122.51 59.46,122.55 59.5,122.59 59.54,122.63 59.58,122.67 59.62,122.71 59.67,122.75 59.71,122.79 59.76,122.82 59.81,122.85